# Altium PCB WX0.006.844PCB-4.1.PcbDoc (part 2 of 2)
Units mil, origin at the board's own origin, x right, y up, seen from the top; angles counter-clockwise.
Board outline 4488.2 x 1889.78 mil, 2 copper layers (Top Layer, Bottom Layer), stack 12.8 mil thick; 178 components, 132 nets, 589 pads, 387 vias.
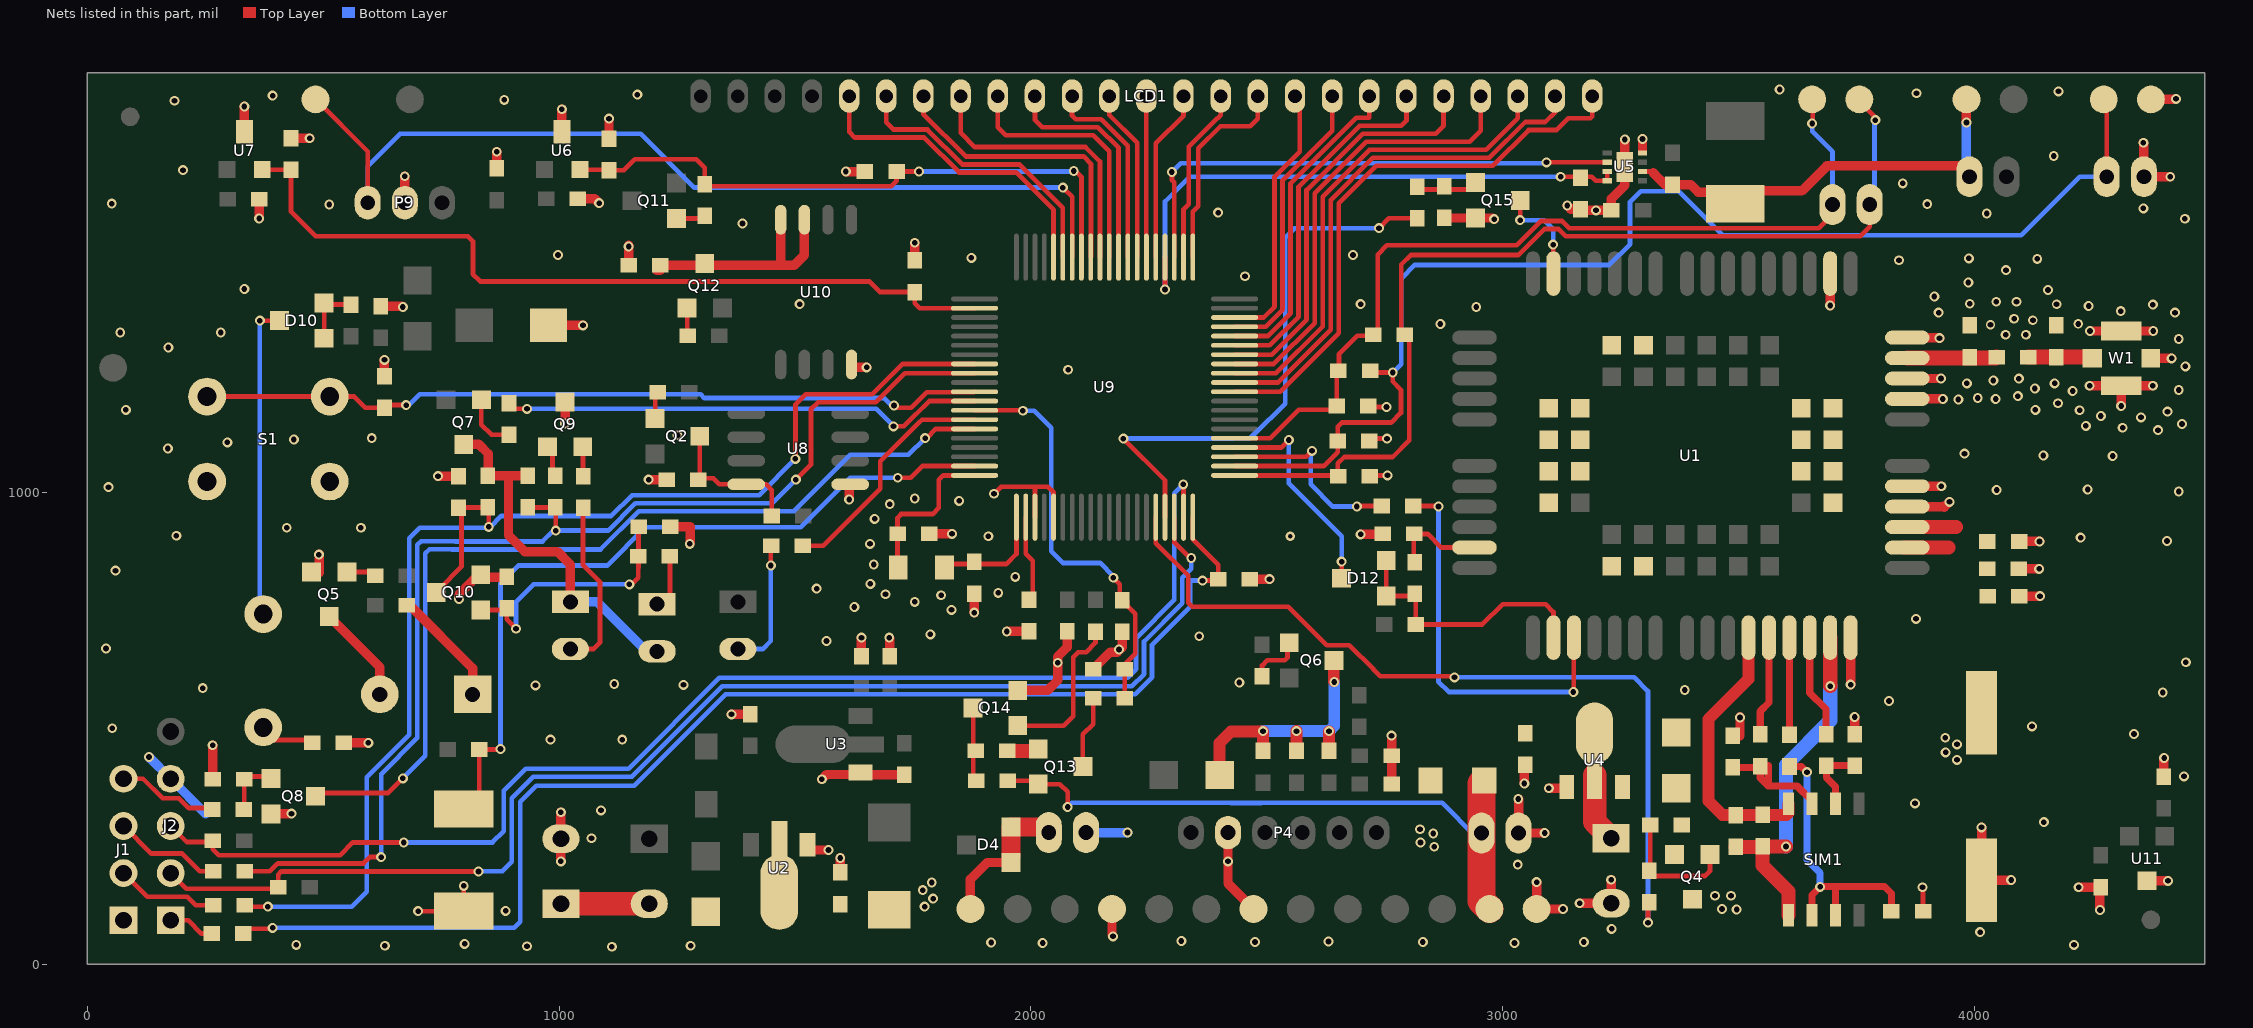
[diagram p2: the nets of this part, all layers, seen from the top]

## Via types
v1: diameter 21, hole 12, Top Layer to Bottom Layer, tented both sides, 380 vias
v2: diameter 20, hole 12, Top Layer to Bottom Layer, tented both sides, 6 vias
v3: diameter 19.68, hole 9.84, Top Layer to Bottom Layer, tented both sides, 1 vias

## Nets (pads, with @x,y where several pads share a name; then routed paths per layer and width w, separated by ;. In a path a pad name is that pad's centre, name@x,y a point inside that pad or via, vN(x,y) a via of type N, cw(c..) or ccw(c..) an arc to the next point about the centre after c; other vN are vias at no path point) (continued)
GND: C1.1 C2.1 C3.2 C4.2 C5.2 C7.2 C8.2 C10.2 C13.2 C14.2 C16.2 C17.2 C18.2 C19.2 C20.2 C21.2 C22.1 C23.1 C25.2 C26.2 C27.2 C28.2 C29.2 C30.2 C31.2 C32.2 C33.1 C34.2 C35.2 C36.2 C38.2 C39.1 C41.1 C42.2 C43.2 C44.2 C45.2 C46.2 C47.2 C48.2 C49.2 C50.2 C51.1 C53.2 C56.2 C57.2 FB2.1 J1.1 J2.4 P1.1 P2.1 P4.5 P7.2 P9.2 Q5.2 Q8.2 Q9.3 Q10.2 Q14.2 Q15.2 R38.1 R41.1 R56.2 R58.2 S1.2 S2.2 TP5.1 TP6.1 TP12.1 TP17.1 TVS2.1 U1.2 U1.43 U1.47 U1.48 U1.51 U1.52 U1.54 U1.59 U1.60 U1.61 U1.62 U1.63 U1.64 U1.65 U1.66 U1.71 U1.72 U1.73 U1.74 U1.81 U1.82 U1.83 U1.92 U1.93 U1.94 U2.1 U3.1 U4.1 U5.4 U5.9 U6.3 U7.3 U8.1 U9.63 U9.65 U10.4 U11.3 W1.2 | length 5898.8
  Top Layer w10: v1(701.54,112.46) S2.2@798,112.46 v1(798,166) ; v1(1922,997) 1937,1012 2008.77,1012 ; U9.63@2008.77,947.42 2008.77,1012 ; U9.65@2048.14,947.42 2048.14,999.86 2036,1012 2008.77,1012 ; C33.1@2715.49,1181 v1(2754,1181) ; C46.2@2717.51,1036 v1(2756,1036) ; C35.2@2717.51,1114 v1(2755,1114) ; v1(3890,163) 3891.02,161.98 C21.2@3891.02,112
  Top Layer w20: R38.1@266,398 v1(266,464) ; U7.3@333,1764 v1(333,1818) ; v1(364.51,1580.51) C28.2@364.51,1621 ; Q8.2@388.76,326.6 Q8.2@389.76,326.6 ; Q8.2@389.76,318.6 v1@426.6,318.6 ; C29.2@432,1750.51 v1(471.49,1750.51) ; Q5.2@491.6,829.24 v1@491.6,869.4 ; FB2.1@542,469 v1(596,469) ; C8.2@622,1394.51 667.49,1394.51 v1(669,1393) ; C31.2@630,1246.51 v1(630,1281) ; P9.2@673.26,1614 v1@673.26,1669.74 ; v1(743.49,1034.51) C26.2@787,1034.51 ; v1(788,774) 788,784 824,820 R41.1@892,820 ; C45.2@868,1686.51 v1(868,1722) ; TVS2.1@969.74,1343 TVS2.1@977.74,1343 ; TVS2.1@977.74,1354 v1(1051,1354) ; v1(1004,218) C44.2@1004,265.9 v1(1004,322) ; U6.3@1006,1764 v1(1006,1812) ; v1(1013,1146) Q9.3@1013,1191.24 ; C27.2@1039.51,1622 1076,1622 v1(1085,1613) ; C30.2@1106,1749.51 v1(1106,1792) ; C36.2@1147.49,1481 v1@1147.49,1523.51 ; v1(1190,1027) C34.2@1228.49,1027 ; C32.2@1235.51,927 1278,927 1278,892 v1(1277,891) ; v1(1365.49,529.51) C3.2@1405,529.51 ; U2.1@1527,242 v1(1571,242) ; v1(1557,392) 1567,402 1635,402 U3.1@1639,406 ; C7.2@1596,194.51 v1@1596,226 ; v1(1608,1680) C50.2@1648.49,1680 ; v1(1615,985) 1615,1015 U8.1@1617,1017 ; U10.4@1620,1271 1626,1265 v1(1652,1265) ; U3.1@1635.51,401.49 C10.2@1732,401.49 ; C4.2@1641,652.51 v1(1641,692) ; C5.2@1701,652.51 v1@1701,691 ; C56.2@1754,1491.51 v1(1754,1529) ; C41.1@1784.49,912 v1(1833,912) ; v1(1880,745) C42.2@1880,779.49 ; v1@1950.49,705.49 C38.2@1996,705.49 ; Q14.2@1972.24,580.4 2035.4,580.4 2057,602 v1(2057,639) 2057,652 2077,672 C39.1@2077,705.51 ; R56.2@2132,625 2168,661 2183,661 2194,672 C51.1@2194,704.51 ; v1@2172,61 TP6.1@2172,117 ; P4.5@2417.89,279 2417.89,171.11 TP17.1@2472,117 ; C43.2@2464.51,816 v1(2506,816) ; v1(2699,911) C57.2@2735.49,911 ; C25.2@2764.51,382 C53.2@2764.51,442 v1(2764.51,484.49) ; R58.2@2876.4,1581.6 Q15.2@2942.76,1581.6 2979.4,1581.6 v1(2982,1579) ; v1@3033.74,349.26 P1.1@3033.74,278 v1(3089,278) ; v1(3046,383) 3046,420.49 C47.2@3048,422.49 ; v1(3072,174) TP5.1@3072,117 v1(3128,117) ; v1(3098,373) 3133.38,373 U4.1@3135.94,375.57 ; v1(3137,1608) 3144.65,1600.35 C22.1@3165,1600.35 ; v1(3163.1,129.1) C13.2@3230,129.1 v1(3230,179) ; C22.1@3167.51,1597.84 v1(3198,1597.84) C23.1@3230.51,1597.84 3230.51,1622.35 3259,1650.84 U5.9@3259,1689.84 v1(3259,1747.84) ; 3296.41,1726.37 v1@3296.41,1749.84 ; C19.2@3503,484.25 v1@3503,525 ; v1(3694,1396) 3694.28,1396.28 U1.2@3694.28,1463.83 U1.2@3694.28,1498.72 ; v1(3737.58,592.42) U1.43@3737.58,661.17 ; C20.2@3746,487.51 v1@3746,523 ; U1.47@3857.66,969.73 3934.73,969.73 3935.73,968.73 v1(3947,980) ; U1.48@3857.66,1013.04 v1(3929.96,1013.04) ; U1.51@3857.66,1198.08 v1(3933.08,1198.08) ; U1.52@3857.66,1241.39 v1(3929,1241.39) ; U1.54@3857.66,1328 3925,1328 v1(3926,1327) ; v1(4015,290) C14.2@4015,178.31 v1(4077.69,178.31) ; C17.2@4094.01,838 v1(4137,838) ; C18.2@4094.51,896 v1(4138,896) ; C16.2@4095.01,780 v1(4139,780) ; v1(4220.76,163) 4267.51,163 C49.2@4268,163.49 ; v1@4244.07,1225.93 W1.2@4311.02,1225.93 ; v1@4245.07,1342.07 W1.2@4311.02,1342.07 v1@4378.93,1342.07 ; v1(4266,115) C49.2@4266,161.49 ; v1(4311,1183) W1.2@4311.02,1225.93 ; v1(4358,1741) 4359,1740 P7.2@4359,1669 v1(4415,1669) ; U11.3@4366,176.76 v1(4410.24,176.76) ; TP12.1@4374,1833 4426,1833 v1(4427,1834) ; W1.2@4374.04,1284 v1(4418,1284) ; v1@4377.93,1225.93 W1.2@4311.02,1225.93 ; C48.2@4401,397.51 4401,436 v1(4402,437)
  Bottom Layer w20: v1(131,439) J2.4@177,393 251,319 ; P2.1@2116.74,279 v1(2205,279)
  other v1: 1112,37 932,38 631,39 1279,39 443,41 4211,41 800,43 2025,45 3025,45 1916,46 2475,47 2831,47 3172,47 2631,48 2319,49 2174,59 4012,68 3231,75 887,113 3032,211 2418,218 1596,225 1069,267 4147,301 433,319 1089,326 3874,341 3033,350 4444,398 982,476 1134,476 4338,488 53,500 4122,504 3503,523 3746,524 3819,558 4399,576 3386,581 245,585 950,591 1264,592 1117,594 2442,597 4448,640 2187,667 40,669 1567,685 1700,692 2357,695 1787,699 1949,705 3876,732 1832,751 1626,757 1754,768 1810,782 1692,784 1931,787 1546,796 1660,806 1967,821 60,834 1667,847 491,868 1659,891 4408,897 4225,904 1910,907 189,908 423,925 580,925 1669,944 1701,975 1848,982 1754,987 4433,1002 4047,1005 4240,1006 45,1011 4293,1077 4146,1078 3979,1082 171,1093 297,1106 438,1112 603,1115 1251,1121 4389,1132 4314,1137 4236,1141 4440,1145 4353,1159 4268,1162 4409,1171 4223,1174 82,1175 4129,1175 4177,1189 3966,1197 4045,1198 4007,1200 4092,1204 4208,1215 4433,1217 4128,1220 4244,1226 4378,1226 3984,1231 4170,1231 4040,1237 4094,1241 2079,1260 4447,1267 172,1307 4433,1325 4066,1334 4109,1334 70,1339 283,1339 4245,1342 4379,1342 2868,1357 4084,1368 3924,1381 4425,1381 4310,1384 2944,1393 4242,1395 4378,1398 1510,1399 2699,1399 4089,1404 3915,1415 4156,1429 333,1431 3987,1445 2454,1458 4067,1471 3840,1492 4133,1495 3988,1496 1874,1497 998,1503 2683,1503 1147.49,1521 1389,1570 4446,1580 4026,1591 2397,1593 4358,1602 513,1610 3900,1611 52,1612 3848,1655 673,1670 203,1683 4168,1713 3296.41,1748.84 185,1830 884,1832 393,1841 1166,1843 3877,1846 4178,1850 3587,1854
  other v2: 4034,1355 4220,1357 4124,1365 4174,1399 3990,1400 4046,1404
  other v3: 2550,907
GPRS_3.6V: C14.1 C16.1 C17.1 C18.1 Q4.3 U1.45 U1.46 | length 198.1
  Top Layer w30: U1.45@3851.66,883.12 3944.88,883.12 ; U1.46@3855.66,926.43 3960.57,926.43
  other v1: 3496,116 3465,117 3450,145 3484,145 3963,433 3939,449 3963,466 3938,480
GPRS_POWER: R18.1 U9.76 | length 1794.9
  Top Layer w10: U9.76@2264.68,947.42 2264.68,892.66 2333.5,823.84 2333.5,766.5 2342.5,757.5 2545.5,757.5 2627,676 2675.13,676 2726.5,624.63 2726.5,624.46 2740.96,610 2896.02,610 v1(2898,608.02) ; R18.1@3305,129 3308,126 v1(3308,88)
  Bottom Layer w10: v1(2898,608.02) 3278.98,608.02 3308,579 v1(3308,88)
GPRS_RST: R57.1 U9.77 | length 1226.6
  Top Layer w10: v1(2196,1114) 2284.36,1025.64 U9.77@2284.36,947.42 ; v1(2738,1560) 2759,1581 R57.1@2819,1581
  Bottom Layer w10: v1(2196,1114) 2463,1114 2473,1124 2474,1123 2539,1188 2539,1540 2559,1560 v1(2738,1560)
HALL1_INTP6: C29.1 C56.1 U7.2 U9.42 | length 1738.1
  Top Layer w10: U7.2@371,1684 431.51,1684 C29.1@432,1683.51 432,1595 484,1543 807,1543 817.5,1532.5 817.5,1462.5 833,1447 1658.04,1447 1680.53,1424.51 C56.1@1754,1424.51 1754,1401 1764.67,1390.33 U9.42@1880.82,1390.33
HALL2_INTP7: C30.1 C50.1 R3.1 U6.2 U9.33 | length 1317.8
  Top Layer w10: U6.2@1044,1684 C30.1@1104.51,1684 ; C30.1@1106,1682.51 1137.51,1682.51 1161,1706 1291,1706 1309,1688 R3.1@1309,1653 1309,1649 1704,1649 1715.49,1660.49 C50.1@1715.49,1680 v1(1763,1680) ; v1(2091,1681) 2095,1681 2107.2,1668.8 U9.33@2107.2,1498.6
  Bottom Layer w10: v1(1763,1680) 2090,1680 v1(2091,1681)
IRDA_CTL: R27.1 U9.52 | length 1029.3
  Top Layer w10: R27.1@894,1189 906,1177 v1(932,1177) ; v1(1709,1140) 1730.96,1140 1757.46,1166.5 1757.68,1166.5 1784.66,1193.48 U9.52@1880.82,1193.48
  Bottom Layer w10: v1(932,1177) 1672,1177 v1(1709,1140)
IRDA_POW: D5.1 D6.2 Q7.3 R29.1 R34.2 | length 781.9
  Top Layer w20: Q7.3@798,1101.76 830.24,1101.76 850,1082 R29.1@850,1035 ; R29.1@845,1035 R29.1@849,1035 R29.1@850,1035 ; 889.5,1035 R29.1@850,1035 ; R34.2@934,1035 893,1035 893,909 927.5,874.5 996.5,874.5 1024,847 D5.1@1024,768
  Bottom Layer w20: D5.1@1024,768 1081,768 1186,663 D6.2@1208,663
IRDA_RXD1: C26.1 Q10.3 R29.2 R37.2 U9.48 | length 2796.4
  Top Layer w10: R37.2@333,135 333,122 v1(383,122) ; Q10.3@745.76,788 745.76,794.76 793.1,842.1 793.1,961.41 C26.1@787,967.51 787.49,968 R29.2@849,968 851,966 v1(851,927) ; v1(1501,1071) 1501,1186.04 1522.96,1208 1664.04,1208 1728.26,1272.22 U9.48@1880.82,1272.22
  Bottom Layer w10: v1(383,122) 561,122 592.5,153.5 592.5,396.5 682.5,486.5 682.5,902.5 705,925 853,925 878,950 1110.83,950 1154.83,994 1424,994 v1(1501,1071)
IRDA_TXD1: R34.1 R36.2 R40.1 U9.49 | length 2503.1
  Top Layer w10: R36.2@334,197 387,197 403,213 403.96,213 404.46,213.5 585.5,213.5 599,227 v1(623,227) ; R34.1@934,968 R40.1@992,968 993,967 v1(993,919) ; v1(1502,1027) 1534,1059 1534,1176 1549,1191 1671.08,1191 1732.62,1252.54 U9.49@1880.82,1252.54
  Bottom Layer w10: v1(623,227) 623,402.96 699.5,479.46 699.5,888.5 707.5,896.5 779.68,896.5 780.18,896 965,896 988,919 1103.88,919 1161.88,977 1452,977 v1(1502,1027)
KEY_INTP0: C31.1 S1.1 U9.51 | length 1672.6
  Top Layer w10: S1.1@254,1203 S1.1@514,1203 566,1203 589.49,1179.51 C31.1@630,1179.51 635.49,1185 v1(676,1185) ; v1(1710,1184) 1714.5,1179.5 1746.42,1179.5 1750.42,1183.5 1750.63,1183.5 1779.63,1212.5 1880.15,1212.5 U9.51@1880.82,1213.17
  Bottom Layer w10: v1(676,1185) 681.98,1185 704.98,1208 1299.96,1208 1307.96,1200 1689,1200 v1@1707.5,1181.5
LED: R7.1 U9.54 | length 508.5
  Top Layer w10: R7.1@1517,887 1560.13,887 1681,1007.87 1681,1066 1764.5,1149.5 1764.72,1149.5 1769.33,1154.11 U9.54@1880.82,1154.11
MCU_RXD0: R60.1 U9.3 | length 410.9
  Top Layer w10: U9.3@2432,1075.37 2583.37,1075.37 v1(2596,1088) ; v1@2692,971 R60.1@2744,971
  Bottom Layer w10: v1(2596,1088) 2593,1085 2593,1017 2640,970 v1(2691,970)
MCU_TXD0: D12.3 U9.4 | length 460.9
  Top Layer w10: U9.4@2432,1095.06 2530.94,1095.06 v1(2546.89,1111) v1@2547,1111 ; D12.3@2658.76,818 v1(2658.76,853.24)
  Bottom Layer w10: v1(2546.89,1111) 2546.89,1019 2658.76,907.13 v1(2658.76,853.24)
NetB1_1: B1.1 R42.1 | length 250.5
  Top Layer w20: R42.1@677,761 683,761 817,627 B1.1@817,572
NetB1_2: B1.2 Q5.3 | length 209.1
  Top Layer w20: Q5.3@513,736.76 620.15,629.61 B1.2@620.15,572
NetC1_2: C1.2 R2.2 U1.53 | length 190.2
  Top Layer w32: U1.53@3857.66,1284.69 4045.02,1284.69 R2.2@4047.02,1286.69
NetC2_2: C2.2 R2.1 W1.1 | length 137.1
  Top Layer w32: R2.1@4114.02,1286.69 4247.31,1286.69 W1.1@4250,1284
NetC6_2: C6.2 C44.1 | length 187.3
  Top Layer w50: C44.1@1004,128.1 C6.2@1191.32,128.1
NetC32_1: C32.1 Q10.1 R39.1 R41.2 | length 531.7
  Top Layer w10: Q10.1@848.24,750.6 R41.2@889,750.6 ; R41.2@889,754 R41.2@889,750.6 ; v1(909,711) 889,731 R41.2@889,750.6 ; v1(1149,805) 1154,805 1168,819 1168,840 ; 1168.51,840.51 C32.1@1168.51,922
  Bottom Layer w10: v1(909,711) 909,768 946,805 v1(1149,805)
NetC34_1: C34.1 Q2.3 R45.1 U8.8 | length 307.3
  Top Layer w10: Q2.3@1298.24,1119 1298.24,1029.75 1327.25,1029.75 1340,1017 U8.8@1397,1017 1439,1017 1451,1005 R45.1@1451,950
NetC36_1: C36.1 Q12.3 U10.7 U10.8 | length 495.1
  Top Layer w20: C36.1@1207,1470.49 C36.1@1214.49,1470.49 ; C36.1@1214.49,1481 1472,1481 ; U10.8@1470,1578.09 1470,1483 1472,1481 ; U10.7@1520,1578.09 1520,1503 1498,1481 1472,1481
NetC38_1: C38.1 U9.62 | length 177.4
  Top Layer w10: U9.62@1989.09,947.42 1989.09,869.91 2004,855 2004,787.49 C38.1@1996,779.49
NetD4_1: D4.1 D4.2 P2.2 TP7.1 | length 308.3
  Top Layer w20: TP7.1@1872,117 1872,180 1907.6,215.6 D4.1@1958.24,215.6
  Top Layer w40: D4.1@1958.24,228.6 D4.2@1958.24,290.4 ; D4.2@1960.24,290.4 2026.6,290.4 P2.2@2038,279
NetD5_2: D5.2 R35.2 | length 368.7
  Top Layer w10: D5.2@1024,668 1073,668 1087,682 1087,810 1051,846 R35.2@1051,967
NetD6_1: D6.1 R39.2 | length 129
  Top Layer w10: D6.1@1208,763 1235,763 R39.2@1235,865
NetD7_2: D7.2 R7.2 | length 279.5
  Top Layer w10: v1(1449,845) 1449,886 R7.2@1450,887
  Bottom Layer w10: D7.2@1379,668 1432,668 1449,685 v1(1449,845)
NetD10_1: D10.1 D10.2 FB1.2 | length 133
  Top Layer w10: D10.1@502.24,1326.6 D10.2@502.24,1394.6 ; D10.2@502.24,1401.4 D10.2@502.24,1394.6 ; FB1.2@559,1398 505.65,1398 D10.2@502.24,1394.6
NetD10_3: D10.3 P10.1 | length 661
  Top Layer w10: v1(366,1364) D10.3@407.76,1364
  Bottom Layer w10: P10.1@363,746 366,749 v1(366,1364)
NetD12_1: D12.1 D12.2 R59.2 R61.2 U1.29 | length 553.6
  Top Layer w10: D12.2@2753.24,855.4 D12.1@2753.24,780.6 2809.6,780.6 R59.2@2814,785 2816,783 2816,723 R61.2@2814,723 ; R61.2@2816,720 2957,720 3000,763 3091,763 3107.66,746.34 U1.29@3107.66,711.34
NetFB2_2: FB2.2 P10.2 | length 114.8
  Top Layer w10: P10.2@363,506 394,475 FB2.2@465,475
NetJ1_2: J1.2 R37.1 | length 217.2
  Top Layer w10: J1.2@77,193 127,143 212,143 230,125 R37.1@266,125
NetJ1_3: J1.3 R36.1 | length 229.8
  Top Layer w10: J1.3@77,293 135.47,234.53 201.47,234.53 239,197 R36.1@267,197
NetJ1_4: J1.4 R31.1 | length 213.7
  Top Layer w10: J1.4@77,393 118.27,393 159.8,351.47 194.53,351.47 215,331 R31.1@265,331
NetJ2_1: J2.1 R1.2 | length 98.6
  Top Layer w10: J2.1@177,93 214,93 242,65 R1.2@264,65
NetQ2_1: Q2.1 R44.2 | length 50.4
  Top Layer w10: Q2.1@1203.76,1156.4 R44.2@1203.76,1206.76
NetQ4_1: Q4.1 R16.1 R18.2 | length 273.6
  Top Layer w10: R18.2@3309,187 3429,187 3439.4,197.4 Q4.1@3439.4,232.24 ; R18.2@3313,191 R16.1@3313,295
NetQ4_2: Q4.2 R16.2 R50.2 U4.3
NetQ5_1: Q5.1 R47.2 | length 62
  Top Layer w10: Q5.1@550.4,831.24 600.76,831.24 R47.2@609,823
NetQ6_1: Q6.1 R21.2 | length 117
  Top Layer w10: R21.2@2490,610 2490,633 2501,644 2538,644 2544,650 2544,677.65 Q6.1@2547.76,681.4
NetQ6_3: Q6.3 R22.2 R23.2 R24.2 R25.2 | length 586.7
  Top Layer w25: R22.2@2400.11,401 2400.11,469.11 2424,493 2492,493 R23.2@2492,452 ; R24.2@2563,452 v1(2563,494) ; R25.2@2632,452 v1@2632,493 ; v1@2642.24,599.76 Q6.3@2642.24,644
  Bottom Layer w25: v1(2492,494) v1(2563,494) v1(2632,494) 2643,505 v1(2643,598)
NetQ7_1: Q7.1 R27.2 | length 120.2
  Top Layer w10: Q7.1@835.4,1196.24 835.4,1143.6 857,1122 R27.2@894,1122
NetQ8_1: Q8.1 R31.2 R38.2 | length 123.8
  Top Layer w10: R31.2@333,332 333,398 387.35,398 Q8.1@389.76,400.4
NetQ9_1: Q9.1 R40.2 | length 45.4
  Top Layer w10: R40.2@986,1035 Q9.1@986,1080.35
NetQ9_2: Q9.2 R35.1 | length 62.2
  Top Layer w10: R35.1@1051,1034 Q9.2@1051,1096.16
NetQ11_1: Q11.1 R3.2 | length 54.4
  Top Layer w10: Q11.1@1249.24,1580.6 R3.2@1303.6,1580.6
NetQ12_1: Q12.1 R49.2 | length 57.4
  Top Layer w10: R49.2@1271.6,1333.4 Q12.1@1271.6,1390.76
NetQ13_1: Q13.1 R55.2 | length 61.4
  Top Layer w30: R55.2@1950,452 Q13.1@2011.35,452
NetQ13_3: Q13.3 R9.1 | length 154
  Top Layer w10: Q13.3@2110.24,419 2110.24,487.24 2132,509 R9.1@2132,564
NetQ14_1: Q14.1 R14.2 | length 334.6
  Top Layer w10: Q14.1@1972.24,505.6 2069.6,505.6 2090,526 2090,651 2100,661 2117,661 2137,681 R14.2@2137,705
NetQ14_3: Q14.3 R10.1 R55.1 | length 156.6
  Top Layer w10: Q14.3@1877.76,543 1877.76,395.24 R10.1@1884,389
NetQ15_1: Q15.1 R57.2 R58.1 | length 126.8
  Top Layer w10: R57.2@2819,1642 2935.35,1642 Q15.1@2942.76,1649.4
NetR60_2: R60.2 U1.30 | length 804.2
  Top Layer w10: R60.2@2811,971 2863,971 v1(2864,970) ; v1(3150,577) 3150.97,577.97 U1.30@3150.97,661.17
  Bottom Layer w10: v1(2864,970) 2864,598.89 2885.89,577 v1(3150,577)
OPEN: U5.6 U9.23 | length 1114.7
  Top Layer w10: v1(2299,1679) 2299,1662 2304.05,1656.95 U9.23@2304.05,1498.6 ; v1(3093,1699.5) U5.6@3222.26,1699.5 ; U5.6@3221.26,1699.34 U5.6@3221.6,1699.68
  Bottom Layer w10: v1(2299,1679) 2317.5,1697.5 3091,1697.5 v1(3093,1699.5)
R: C24.1 P3.1 TP21.1 TVS1.2 U5.2 | length 940.9
  Top Layer w10: U5.2@3296.41,1680 3318.84,1680 3320,1678.84 ; TVS1.2@3447,1636 3469,1636 3481.5,1623.5 TVS1.2@3500,1642 ; P3.1@3966.26,1692 P3.1@3989.26,1669
  Top Layer w20: 3318.84,1677.68 3323.24,1673.28 3344.18,1652.35 C24.1@3360,1652.35 3398.65,1652.35 3415,1636 TVS1.2@3447,1636 ; TVS1.2@3493,1612 3520,1639 3634.18,1639 3687.18,1692 P3.1@3966.26,1692 ; v1(3983,1784) TP21.1@3983,1833
  Bottom Layer w20: v1(3983,1784) 3983,1675.26 P3.1@3989.26,1669
RESET: Q15.3 U1.15 | length 252.5
  Top Layer w10: v1(3037,1577) 3037.24,1577.24 Q15.3@3037.24,1619 ; v1(3107,1525) 3107,1450.6 3112.22,1445.38 3104,1437.17 3108,1433.17 U1.15@3107.66,1432.83
  Bottom Layer w10: v1(3037,1577) 3088,1577 3107,1558 v1(3107,1525)
RST: C43.1 R1.1 U9.80 | length 2741.4
  Top Layer w10: R1.1@333,75 391,75 v1(393,77) ; U9.80@2343.42,947.42 2343.42,900.72 2397.51,846.62 C43.1@2397.51,816 C43.1@2397.51,809 ; v1(2364,813) 2380,813 2381,812 C43.1@2385,816
  Bottom Layer w10: v1(393,77) 905,77 918,90 918,344 952,378 1159.08,378 1353.08,572 2221.04,572 2257,607.96 2257,676.92 2338.05,757.96 2338.05,812.01 2339.04,813 v1(2364,813)
RXD1: P9.1 TP22.1 U9.34 | length 2046.8
  Top Layer w10: TP22.1@484,1833 594.52,1722.48 P9.1@594.52,1614 ; v1(2068,1646) 2087.51,1626.49 U9.34@2087.51,1498.6
  Bottom Layer w10: P9.1@594.52,1614 594.52,1691.52 663,1760 1173,1760 1287,1646 v1(2068,1646)
S0: LCD1.5 U9.36 | length 677.7
  Top Layer w10: LCD1.5@1614.96,1840 1614.96,1764.04 1627,1752 1773.92,1752 1847.92,1678 1968.82,1678 2048.14,1598.68 U9.36@2048.14,1498.6
S1: LCD1.6 U9.35 | length 609.3
  Top Layer w10: LCD1.6@1693.7,1840 1693.7,1784.3 1709,1769 1780.96,1769 1854.96,1695 1975.87,1695 2067.83,1603.04 U9.35@2067.83,1498.6
S2: LCD1.7 U9.32 | length 635.1
  Top Layer w10: LCD1.7@1772.44,1840 1772.44,1801.56 1862,1712 2111.83,1712 2127.5,1696.33 2127.5,1499.22 U9.32@2126.88,1498.6
S3: LCD1.8 U9.31 | length 601.3
  Top Layer w10: LCD1.8@1851.18,1840 1851.18,1761.82 1881,1732 2115.88,1732 2146.57,1701.31 U9.31@2146.57,1498.6
S4: LCD1.9 U9.30 | length 547.7
  Top Layer w10: LCD1.9@1929.92,1840 1929.92,1774.08 1947,1757 2132,1757 2166.25,1722.75 U9.30@2166.25,1498.6
S5: LCD1.10 U9.29 | length 484
  Top Layer w10: LCD1.10@2008.66,1840 2008.66,1789.34 2024,1774 2142,1774 2185.94,1730.06 U9.29@2185.94,1498.6
S6: LCD1.11 U9.28 | length 422
  Top Layer w10: LCD1.11@2087.4,1840 2087.4,1798.6 2095,1791 2149.04,1791 2205.62,1734.42 U9.28@2205.62,1498.6
S7: LCD1.12 U9.27 | length 365.9
  Top Layer w10: LCD1.12@2166.14,1840 2166.14,1799.86 2225.31,1740.69 U9.27@2225.31,1498.6
S8: LCD1.13 U9.26 | length 338.3
  Top Layer w10: U9.26@2244.88,1501.71 LCD1.13@2244.88,1840
S9: LCD1.14 U9.25 | length 365.8
  Top Layer w10: U9.25@2264.68,1498.6 2264.68,1739.68 2323.62,1798.62 LCD1.14@2323.62,1840
S10: LCD1.15 U9.22 | length 374.6
  Top Layer w10: U9.22@2323.73,1498.6 2323.73,1599.6 2335,1610.87 2335,1733.04 2394.96,1793 2396,1793 2402.36,1799.36 LCD1.15@2402.36,1840
S11: LCD1.16 U9.21 | length 435.3
  Top Layer w10: U9.21@2343.42,1498.6 2343.42,1595.24 2355,1606.82 2355,1729 2402,1776 2465,1776 2481.1,1792.1 LCD1.16@2481.1,1840
S12: LCD1.17 U9.18 | length 566.6
  Top Layer w10: U9.18@2432,1370.65 2493.31,1370.65 2516.5,1393.83 2516.5,1668.83 2570,1722.33 2570,1829.84 LCD1.17@2559.84,1840
S13: LCD1.18 U9.17 | length 613.1
  Top Layer w10: U9.17@2432,1350.96 2497.67,1350.96 2533.5,1386.79 2533.5,1661.79 2638.58,1766.87 LCD1.18@2638.58,1840
S14: LCD1.19 U9.16 | length 684.1
  Top Layer w10: U9.16@2432,1331.28 2502.03,1331.28 2550.5,1379.75 2550.5,1654.75 2689.75,1794 2717.32,1794 LCD1.19@2717.32,1840
S15: LCD1.20 U9.15 | length 774.5
  Top Layer w10: U9.15@2432,1311.59 2506.38,1311.59 2567.5,1372.71 2567.5,1647.71 2696.79,1777 2785,1777 2796.06,1788.06 LCD1.20@2796.06,1840
S16: LCD1.21 U9.14 | length 867.9
  Top Layer w10: U9.14@2432,1291.91 2510.74,1291.91 2584.5,1365.67 2584.5,1640.67 2703.83,1760 2858,1760 2874.8,1776.8 LCD1.21@2874.8,1840
S17: LCD1.22 U9.13 | length 960.8
  Top Layer w10: U9.13@2432,1272.22 2515.1,1272.22 2601.5,1358.62 2601.5,1633.62 2710.88,1743 2930,1743 2953.54,1766.54 LCD1.22@2953.54,1840
S18: LCD1.23 U9.12 | length 1032
  Top Layer w10: U9.12@2432,1252.54 2519.45,1252.54 2618.5,1351.58 2618.5,1626.58 2717.92,1726 2964.92,1726 3032.28,1793.37 LCD1.23@3032.28,1840
S19: LCD1.24 U9.11 | length 1111.5
  Top Layer w10: U9.11@2432,1232.85 2523.81,1232.85 2635.5,1344.54 2635.5,1619.54 2724.96,1709 2971.96,1709 3047.96,1785 3090.04,1785 3111.02,1805.98 LCD1.24@3111.02,1840
S20: LCD1.25 U9.10 | length 1203.9
  Top Layer w10: U9.10@2432,1213.17 2528.17,1213.17 2652.5,1337.5 2652.5,1612.5 2732,1692 2979,1692 3055,1768 3114,1768 3139,1793 3186.08,1793 3189.76,1796.68 LCD1.25@3189.76,1840
SET: Q8.3 U9.55 | length 1967.8
  Top Layer w10: Q8.3@484.24,363 638,363 v1(669,394) ; v1(1776,1115) 1779,1115 1798.43,1134.43 U9.55@1880.82,1134.43
  Bottom Layer w10: v1(669,394) 716.5,441.5 716.5,870.5 725.5,879.5 772.63,879.5 773.13,879 1087.92,879 1168.92,960 1497.92,960 1617.42,1079.5 1740.5,1079.5 v1(1776,1115)
SIM_CLK: C20.1 R5.1 SIM1.6 | length 148.6
  Top Layer w15: SIM1.6@3705.57,340 3705.57,376.09 3686,395.67 R5.1@3686,420.74 C20.1@3745.77,420.74
SIM_DATA: C21.1 R4.2 SIM1.2 SIM1.3 | length 619.4
  Top Layer w15: R4.2@3608,419 3633,419 v1(3645,407) ; SIM1.2@3655.57,103.78 3655.57,146.57 3674,165 3809,165 3824.02,149.98 C21.1@3824.02,112 ; SIM1.3@3705.57,103.78 3705.57,163.57
  Bottom Layer w15: v1(3645,407) 3645,221 3673,193 v1(3673,164)
SIM_RST: C19.1 R6.1 SIM1.7 | length 260.1
  Top Layer w15: C19.1@3503,417.25 R6.1@3546,417.25 ; R6.1@3546,420 R6.1@3546,417.25 ; R6.1@3559.51,417.25 R6.1@3546,417.25 ; 3563,378 3563,378.12 ; 3563,420.74 3563,378.12 ; SIM1.7@3655.57,340 3655.57,345.94 3623.39,378.12 3563,378.12 ; R6.1@3546,417.25 3546,395 3562.88,378.12 3563,378.12
SLEEP: C22.2 U5.7 U5.8 U9.24 | length 1242.6
  Top Layer w10: v1(2284.36,1430.15) U9.24@2284.36,1498.6 ; v1(3123,1669) 3188.84,1669 3197.52,1660.32 U5.8@3221.6,1660.32 U5.7@3221.6,1680
  Bottom Layer w10: v1(2284.36,1430.15) 2284.36,1616.36 2337,1669 v1(3123,1669) 3123,1664.84 v1@3122,1663.84
SWCLK: J2.2 R11.2 U9.78 | length 2749.8
  Top Layer w10: J2.2@177,193 210,160 402,160 R11.2@405,163 405,190 411.5,196.5 v1(829.5,196.5) ; U9.78@2304.05,947.42 2304.05,893.95 2337,861 v1(2340,861)
  Bottom Layer w10: v1@830,197 880,197 900,217 900,352 945.5,397.5 1154.54,397.5 1346.04,589 2214,589 2240,615 2240,683.96 2321.05,765.01 2321.05,819.05 2340,838 v1(2340,861)
SWIO: J2.3 R8.2 U9.79 | length 2804.4
  Top Layer w10: J2.3@177,293 211,259 R8.2@266,259 ; R8.2@266,262 R8.2@266,259 ; v1(671,258) 563,258 536,231 279,231 266,244 R8.2@266,259 ; v1(2323,1017) 2323,1019 2323.73,1018.27 U9.79@2323.73,947.42
  Bottom Layer w10: v1(671,258) 859,258 883,282 883,368 929.5,414.5 1147.5,414.5 1340,607 2205,607 2223,625 2223,691 2304.05,772.05 2304.05,998.05 v1(2323,1017)
USIM_CLK: R5.2 U1.41 | length 186.3
  Top Layer w15: U1.41@3650.97,661.17 3650.97,575.03 3685,541 R5.2@3685,489
USIM_DATA: R4.1 U1.40 | length 175.3
  Top Layer w15: U1.40@3607.66,661.17 3607.66,486.34 R4.1@3608,486
USIM_GND: C11.2 C12.2 SIM1.1 U1.42 | length 755.3
  Top Layer w30: C11.2@3494,248.49 C12.2@3550,248.49 ; v1(3600.51,249.49) C12.2@3551,249.49 3551,209 3605.57,154.43 SIM1.1@3605.57,103.78 ; v1(3694.28,589.28) U1.42@3694.28,692.17
  Bottom Layer w30: v1(3600.51,249.49) 3600.51,422.51 3694.28,516.28 v1(3694.28,589.28)
USIM_RST: R6.2 U1.39 | length 181.8
  Top Layer w15: R6.2@3546,487 3546,536 3564.35,554.35 U1.39@3564.35,661.17
USIM_VDD: C11.1 C12.1 SIM1.8 U1.38 | length 553.3
  Top Layer w25: U1.38@3521.05,661.17 3521.05,604.05 3436,519 3436,346 3465.51,316.49 C12.1@3551,316.49 3601.49,316.49 3605.57,320.57 SIM1.8@3605.57,340
VDD_EXT: C57.1 R59.1 U1.26 | length 199
  Top Layer w10: C57.1@2811.49,908 2811.49,856 2815.49,852 R59.1@2814,852 ; C57.1@2812.49,912 2841.24,912 2870.12,883.12 U1.26@2940.34,883.12
VIN: D2.1 P1.2 Q13.2 R10.2 TP1.1 | length 1338.8
  Top Layer w10: R10.2@1951,389 Q13.2@2008.35,389 ; Q13.2@2015.76,381.6 2061.4,381.6 2078,365 v1(2078,333)
  Top Layer w60: D2.1@2955,382.91 P1.2@2955,278 2955,134 TP1.1@2972,117
  Bottom Layer w10: v1(2078,333) 2087,342 2423.34,342 2423.51,341.83 2487.71,341.83 2487.88,342 2871.86,342 2879.56,334.31 2935.86,278 P1.2@2955,278
VIN_ADC: C51.2 R9.2 R56.1 U9.53 | length 889.3
  Top Layer w10: U9.53@1880.82,1173.8 1982.2,1173.8 v1(1983,1173) ; v1(2175,819) 2188.5,805.5 2188.5,771.51 C51.2@2194,771.51 2204.5,771.51 2204.5,759.5 2221.5,742.5 2221.5,658.37 2199,635.87 R56.1@2199,625 R9.2@2199,564
  Bottom Layer w10: v1(1983,1173) 2006.78,1173 2043,1136.78 2043,875 2067.5,850.5 2146.63,850.5 2175,822.13 v1(2175,819)
VIN_N: C7.1 C13.1 C47.1 D2.2 D11.2 R30.1 R50.1 U2.2 U4.2 | length 148.2
  Top Layer w50: U4.2@3195,400.57 3195,301.9 C13.1@3230,266.9
  other v1: 1775,122 1793,139 1771,157 1790,173 2855,249 2826,258 2853,277 2825,286
WY_POW: C33.2 P6.1 R43.1 R46.2 TP9.1 U9.5 | length 1892.4
  Top Layer w10: U9.5@2432,1114.74 2507.5,1114.74 2567.76,1175 2648.49,1175 R46.2@2648.49,1254 ; R46.2@2653,1254 2653,1293 2692,1332 R43.1@2726,1332 ; R43.1@2726,1335 2735,1344 2735,1504 2754.5,1523.5 3029.5,1523.5 3081,1575 3096.96,1575 3097,1575.04 3125.82,1575.04 3140.87,1560 3670,1560 3693,1583 P6.1@3693,1600 ; v1@3657,1785 TP9.1@3657,1846
  Bottom Layer w10: v1(3656,1782) 3656,1765 3699.26,1721.74 P6.1@3699.26,1610
WY_SCL: C35.1 P7.1 R46.1 TP11.1 U9.2 | length 2658.4
  Top Layer w10: U9.2@2432,1055.68 2620.69,1055.68 2650.51,1085.51 2650.51,1139.51 2659,1148 2764.13,1148 2784.5,1168.37 2784.5,1217.5 2767,1235 v1(2767,1254) R46.1@2720,1254 ; TP11.1@4274,1833 4280.26,1826.74 P7.1@4280.26,1669
  Bottom Layer w10: v1(2767,1254) 2785,1272 2785,1453 2814,1482 3226,1482 3270,1526 3270,1615.5 3293,1638.5 3373.5,1638.5 3467,1545 4099,1545 4223,1669 P7.1@4280.26,1669
WY_SDA: C46.1 P6.2 R43.2 TP10.1 U9.1 | length 2124.9
  Top Layer w10: U9.1@2432,1036 2650.51,1036 2650.51,1061.47 2664.04,1075 2767,1075 2802,1110 2802,1326 2785,1343 2785,1483 2805,1503 3033.04,1503 3088.04,1558 3118.82,1558 3133.82,1543 3758,1543 3778,1563 P6.2@3778,1610 ; TP10.1@3756,1833 3754,1831 3790,1795 v1(3790,1789)
  Bottom Layer w10: P6.2@3778,1610 3788,1620 3788,1787 v1(3790,1789)
X1: R62.1 S2.1 U9.59 | length 1597.2
  Top Layer w10: S2.1@831,362 R62.1@831,455 875,455 v1(876,456) ; v1(1718,1031) 1745,1031 1769.69,1055.68 U9.59@1880.82,1055.68
  Bottom Layer w10: v1(876,456) 876,807 914,845 1102,845 1183,926 1512,926 1617,1031 v1(1718,1031)
XT1: C42.1 U9.61 Y2.1 | length 240.3
  Top Layer w10: Y2.1@1816,848 1948,848 1969.4,869.4 U9.61@1969.4,947.42
XT2: C41.2 U9.60 Y2.2 | length 339.9
  Top Layer w10: Y2.2@1717.49,842.08 C41.2@1717.49,912 1717.49,946.49 1725,954 1792,954 1805.07,967.07 1805.07,1026.93 1814.13,1036 U9.60@1880.82,1036
pads on no net: MARK1.0 MARK1.1 MARK2.0 MARK2.1 SIM1.4 SIM1.5 U1.1 U1.3 U1.4 U1.5 U1.6 U1.7 U1.8 U1.9 U1.10 U1.11 U1.12 U1.13 U1.14 U1.16 U1.17 U1.18 U1.19 U1.20 U1.21 U1.22 U1.23 U1.24 U1.25 U1.27 U1.28 U1.31 U1.32 U1.33 U1.34 U1.35 U1.36 U1.37 U1.44 U1.49 U1.50 U1.55 U1.56 U1.57 U1.58 U1.67 U1.68 U1.69 U1.70 U1.75 U1.76 U1.77 U1.78 U1.79 U1.80 U1.84 U1.85 U1.86 U1.87 U1.88 U1.89 U1.90 U1.91 U8.2 U8.4 U8.5 U9.20 U9.70

## Polygon pours and split planes (outlines as drawn)
GND on Top Layer "GND-No Net" (solid, remove dead copper, pour order 4): -17,1852 -7,1862 -7,1901 4488,1901 4488,-5 4473,-20 -23,-20
GND on Bottom Layer "GND-No Net" (solid, remove dead copper, pour order 3): -17,1852 -7,1862 -7,1901 4483,1901 4483,-16 4479,-20 -23,-20

## Keep-outs
Keep-Out Layer:
  circle w5: c4365.98,224 r11.81
  circle w8: c177.16,728.36 r59.06
  circle w10: c177.17,1496.08 r59.06
  circle w10: c4311.03,1496.05 r59.06
  circle w10: c4311.02,728.33 r59.06
  circle w5: c4365.98,224 r11.81
  circle w8: c177.16,728.36 r59.06
  circle w10: c177.17,1496.08 r59.06
  circle w10: c4311.03,1496.05 r59.06
  circle w10: c4311.02,728.33 r59.06
  circle w5: c4365.98,224 r11.81
  circle w8: c177.16,728.36 r59.06
  circle w10: c177.17,1496.08 r59.06
  circle w10: c4311.03,1496.05 r59.06
  circle w10: c4311.02,728.33 r59.06
  circle w10: c177.16,728.36 r59.06
  circle w10: c4311.03,728.33 r59.06
  circle w10: c4311.03,1496.05 r59.06
  circle w10: c177.17,1496.08 r59.06
  circle w10: c177.16,728.36 r59.06
  circle w10: c4311.03,728.33 r59.06
  circle w10: c4311.03,1496.05 r59.06
  circle w10: c177.17,1496.08 r59.06
  circle w5: c4365.98,225 r11.81
  circle w8: c177.16,729.36 r59.06
  circle w10: c177.17,1497.08 r59.06
  circle w10: c4311.03,1497.05 r59.06
  circle w10: c4311.02,729.33 r59.06
  lines w10: 0,1386.83 51.18,1386.83 51.18,1438.01 0,1438.01 ; 515.77,1889.78 515.77,1862.05 830.73,1862.05 830.73,1889.78 ; 0,1385.83 51.18,1385.83 ; 0,1385.83 51.18,1385.83 ; 0,1385.83 51.18,1385.83 ; 0,1385.83 51.18,1385.83 ; 0,1385.83 51.18,1385.83 ; 0,1437.01 51.18,1437.01 ; 0,1437.01 51.18,1437.01 ; 0,1437.01 51.18,1437.01 ; 0,1437.01 51.18,1437.01 ; 0,1437.01 51.18,1437.01 ; 51.18,1385.83 51.18,1437.01 ; 51.18,1385.83 51.18,1437.01 ; 51.18,1385.83 51.18,1437.01 ; 51.18,1385.83 51.18,1437.01 ; 51.18,1385.83 51.18,1437.01 ; 515.77,1861.05 830.73,1861.05 ; 515.77,1861.05 515.77,1888.78 ; 515.77,1861.05 830.73,1861.05 ; 515.77,1861.05 515.77,1888.78 ; 515.77,1861.05 830.73,1861.05 ; 515.77,1861.05 515.77,1888.78 ; 830.73,1861.05 830.73,1888.78 ; 830.73,1861.05 830.73,1888.78 ; 830.73,1861.05 830.73,1888.78 ; 0,0 4488.2,0 4488.2,1889.78 0.01,1889.78 0,0

## Other copper
Top Layer:
  region net 3.3V: 615,730 662,730 667,725 667,687 665,685 616,685 609,692 609,724
  region net NetQ4_2: 3233,403 3233,352 3239,346 3332,346 3354,324 3354,276 3340,262 3340,211 3346,205 3387,205 3395,213 3395,250 3413,268 3413,388 3391,410 3240,410
  region net 3.3V: 2023,881 2023,848 2042,829 2093,829 2099,835 2099,876 2093,882 2024,882
  region net 5V: 3273,1604.84 3282,1613.84 3372,1613.84 3379,1606.84 3379,1585.84 3373,1579.84 3279,1579.84 3273,1585.84
  region net 5V: 1228,196 1404,196 1411,203 1411,300 1421,310 1642,310 1652,300 1652,273 1655,270 1684,270 1689,275 1689,354 1678,365 1228,365 1211.99,348.99 1212,212
  region net VIN_N: 1278.16,144 1627,144 1667,184 1792,184 1805,171 1805,86 1794,75 1275,75 1266.03,83.97 1266.28,137.81
  region net VIN_N: 2810,424 2802,416 2802,246 2817,231 2871,231 2881,241 2881,418 2875,424
  region net 3.3V: 1614,531 1614,592 1622,600 1751,600 1759,592 1759,521 1747,509 1636,509
  region net VIN_N: 2802,414 2802,514 2829,541 3389,541 3398,532.01 3398,474 3391,467 2889,467 2881,459 2881,416 2873,408 2808,408
  region net GPRS_3.6V: 3925,933 3933,941 4032,941 4047,926 4047,436 4031,420 3938,420 3925,433
  region net GPRS_3.6V: 3380,160 3498,160 3512,146 3512,106 3503,97 3379,97 3369,107 3369,149
  region net 5V: 1144,295 1155,306 1230,306 1237,299 1237,231 1231,225 1151,225 1144,232
  pour cut-out: 933,727 936,724 977,724 977,844 978,845 933,845
  pour cut-out: 4212.39,1490.43 ccw(c4310.81,1490.43) 4310.81,1392 ccw(c4310.81,1490.43) 4409.24,1490.43 ccw(c4310.81,1490.43) 4310.81,1588.85 ccw(c4310.81,1490.43)
  pour cut-out: 58.14,1497.27 ccw(c176.25,1497.27) 176.25,1379.16 ccw(c176.25,1497.27) 294.36,1497.27 ccw(c176.25,1497.27) 176.25,1615.38 ccw(c176.25,1497.27)
  pour cut-out: 57.11,727.77 ccw(c175.22,727.77) 175.22,609.66 ccw(c175.22,727.77) 293.33,727.77 ccw(c175.22,727.77) 175.22,845.88 ccw(c175.22,727.77)
  pour cut-out: 4194.06,727.08 ccw(c4312.17,727.08) 4312.17,608.97 ccw(c4312.17,727.08) 4430.28,727.08 ccw(c4312.17,727.08) 4312.17,845.19 ccw(c4312.17,727.08)
Bottom Layer:
  region net 3.3V: 615,730 662,730 667,725 667,687 665,685 616,685 609,692 609,724
  region net 5V: 3326,1613.84 3372,1613.84 3377,1608.84 3377,1546.84 3368,1537.84 3332,1537.84 3323,1546.84 3323,1610.84
  region net VIN_N: 2808,303 2802,297 2802,205 2780,183 1771,183 1760,172 1760,117 1771,106 2840,106 2878,144 2878,297 2872,303
  region net 3.3V: 1749,558 1683,558 1680,555 1680,515 1686,509 1747,509 1759,521 1759,548
  region net 5V: 1583,357 1588,362 1643,362 1648,357 1648,313 1646,311 1588,311 1583,316
  region net GPRS_3.6V: 3439,160 3498,160 3522,136 3904.28,136 3925,156.72 3925,484 3936,495 3974,495 3988,481 3988,130 3939,81 3441,81 3427,95 3427,148
  pour cut-out: 4203.06,1497.31 ccw(c4311.33,1497.31) 4311.33,1389.05 ccw(c4311.33,1497.31) 4419.59,1497.31 ccw(c4311.33,1497.31) 4311.33,1605.58 ccw(c4311.33,1497.31)
  pour cut-out: 69.47,1496.01 ccw(c177.73,1496.01) 177.73,1387.74 ccw(c177.73,1496.01) 286,1496.01 ccw(c177.73,1496.01) 177.73,1604.28 ccw(c177.73,1496.01)
  pour cut-out: 68.76,728.05 ccw(c177.03,728.05) 177.03,619.78 ccw(c177.03,728.05) 285.3,728.05 ccw(c177.03,728.05) 177.03,836.32 ccw(c177.03,728.05)
  pour cut-out: 4204.76,726.05 ccw(c4313.03,726.05) 4313.03,617.78 ccw(c4313.03,726.05) 4421.3,726.05 ccw(c4313.03,726.05) 4313.03,834.32 ccw(c4313.03,726.05)

## Silkscreen, mask and mechanical layers (free items; w line width, h text height)
Top Overlay:
  circle w10: c4311.02,728.33 r118.11
  circle w10: c4311.03,1496.05 r98.43
  circle w10: c177.17,1496.08 r118.11
  circle w10: c177.16,728.36 r118.11
Bottom Overlay:
  circle w10: c177.17,1496.08 r118.11
  circle w10: c177.16,728.36 r118.11
  circle w10: c4311.02,728.33 r118.11
  circle w10: c4311.03,1496.05 r118.11
  circle w10: c383.86,1112.86 r305.12
  lines w4: 296,565 346,565
  lines w6: 960,359 1037,359 ; 2142,381 2219,381 ; 3059,404 3136,404
  text "G" at 4377,1743 h34
  text "CHK" at 4266,1733 h34 r270
  text "光电" at 478,1615 h100
  text "R" at 4077,1538 h34
  text "B" at 3999,1537 h34
  text "POW" at 3674,1426 h34 r270
  text "SDA" at 3748,1420 h34 r270
  text "+" at 1339,817 h80 r270
  text "+" at 1156,816 h80 r270
  text "+" at 984,815 h80 r270
  text "WX0.006.844PCB-4.2" at 3874,798 h39.37
  text "102010402-0180" at 3874,735.82 h39.37
  text "2022-12-5" at 3874,673.65 h39.37
  text "+" at 278,644 h80 r270
  text "WLWn-P42" at 3870,605 h39.37
  text "S" at 53,593 h34
  text "V2" at 3871,558 h39.37
  text "白" at 1056,546 h100
  text "T" at 52,543 h34
  text "灯" at 1413,542 h100
  text "黑" at 1254,540 h100
  text "R" at 52,499 h34
  text "备电" at 2129,499 h100
  text "主电" at 3087,493 h100
  text "V" at 266,471 h34
  text "G" at 50,451 h34
  text "IC卡" at 2519,378 h100
  text "+" at 2863,377 h80 r270
  text "G" at 266,372 h34
  text "+" at 1934,366 h80 r270
  text "I" at 266,275 h34
  text "C" at 266,175 h34
  text "R" at 266,75 h34
  text "+" at 964,31 h80 r270

## Text inside footprints (layer, text, board x,y; h text height)
B1: Bottom Overlay "+" at 917,702 h80
C6: Bottom Overlay "-" at 1218,103 h80 r180; Bottom Overlay "+" at 1228,321 h80 r90
C13: Bottom Overlay "+" at 3274,420 h80 r90
LCD1: Bottom Overlay "1" at 1198.48,1752.89 h65; Bottom Overlay "25" at 3384.62,1752.89 h65